# Altium PCB SmartDoor.PcbDoc
Units mm, origin at the board's own origin, x right, y up, seen from the top; angles counter-clockwise.
Board outline 100.4 x 97.81 mm, 2 copper layers (Top Layer, Bottom Layer), stack 1.57 mm thick; 44 components, 43 nets, 174 pads, 192 vias.
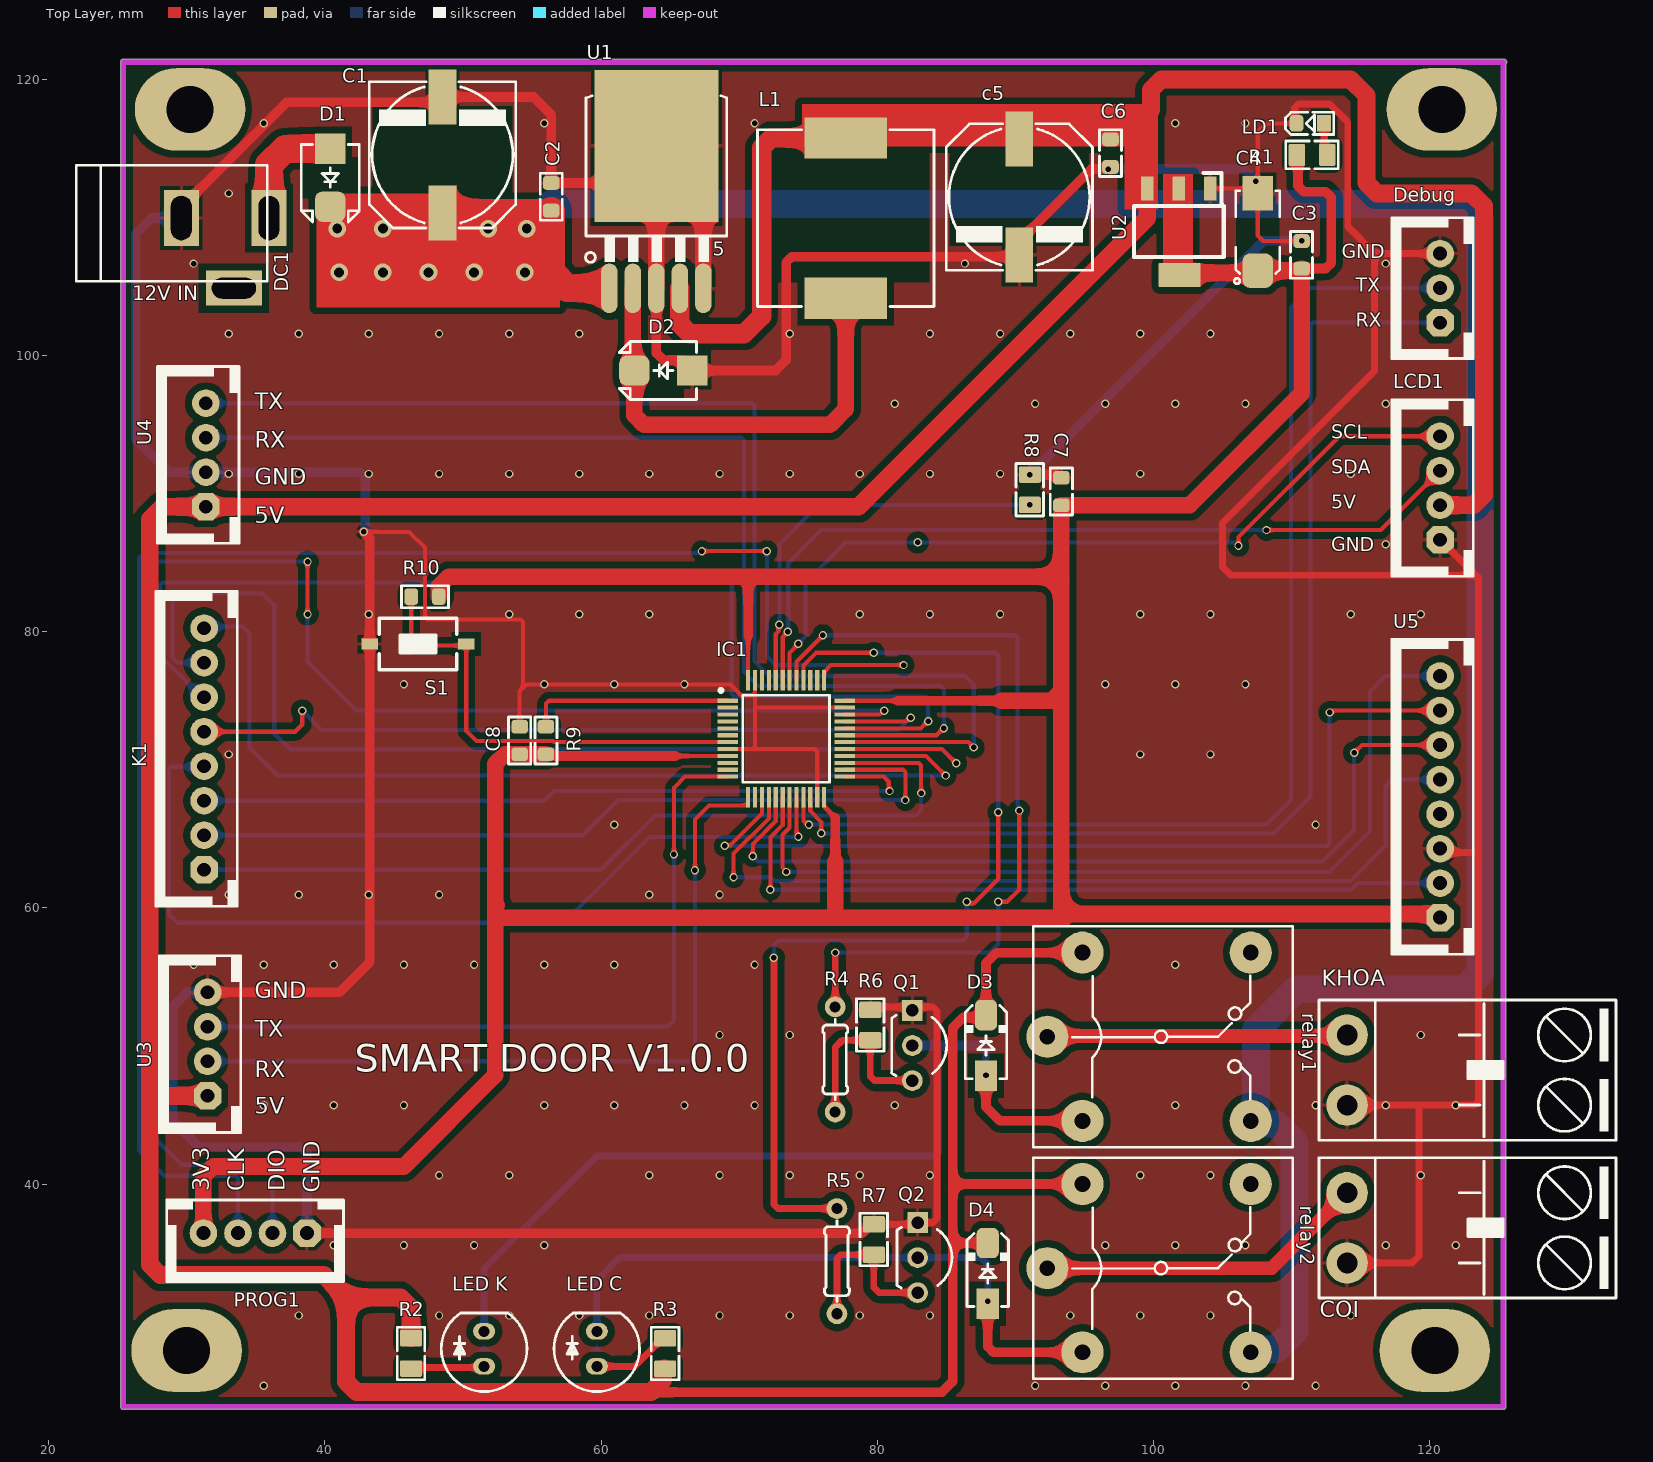
[diagram p0: Top Layer view]
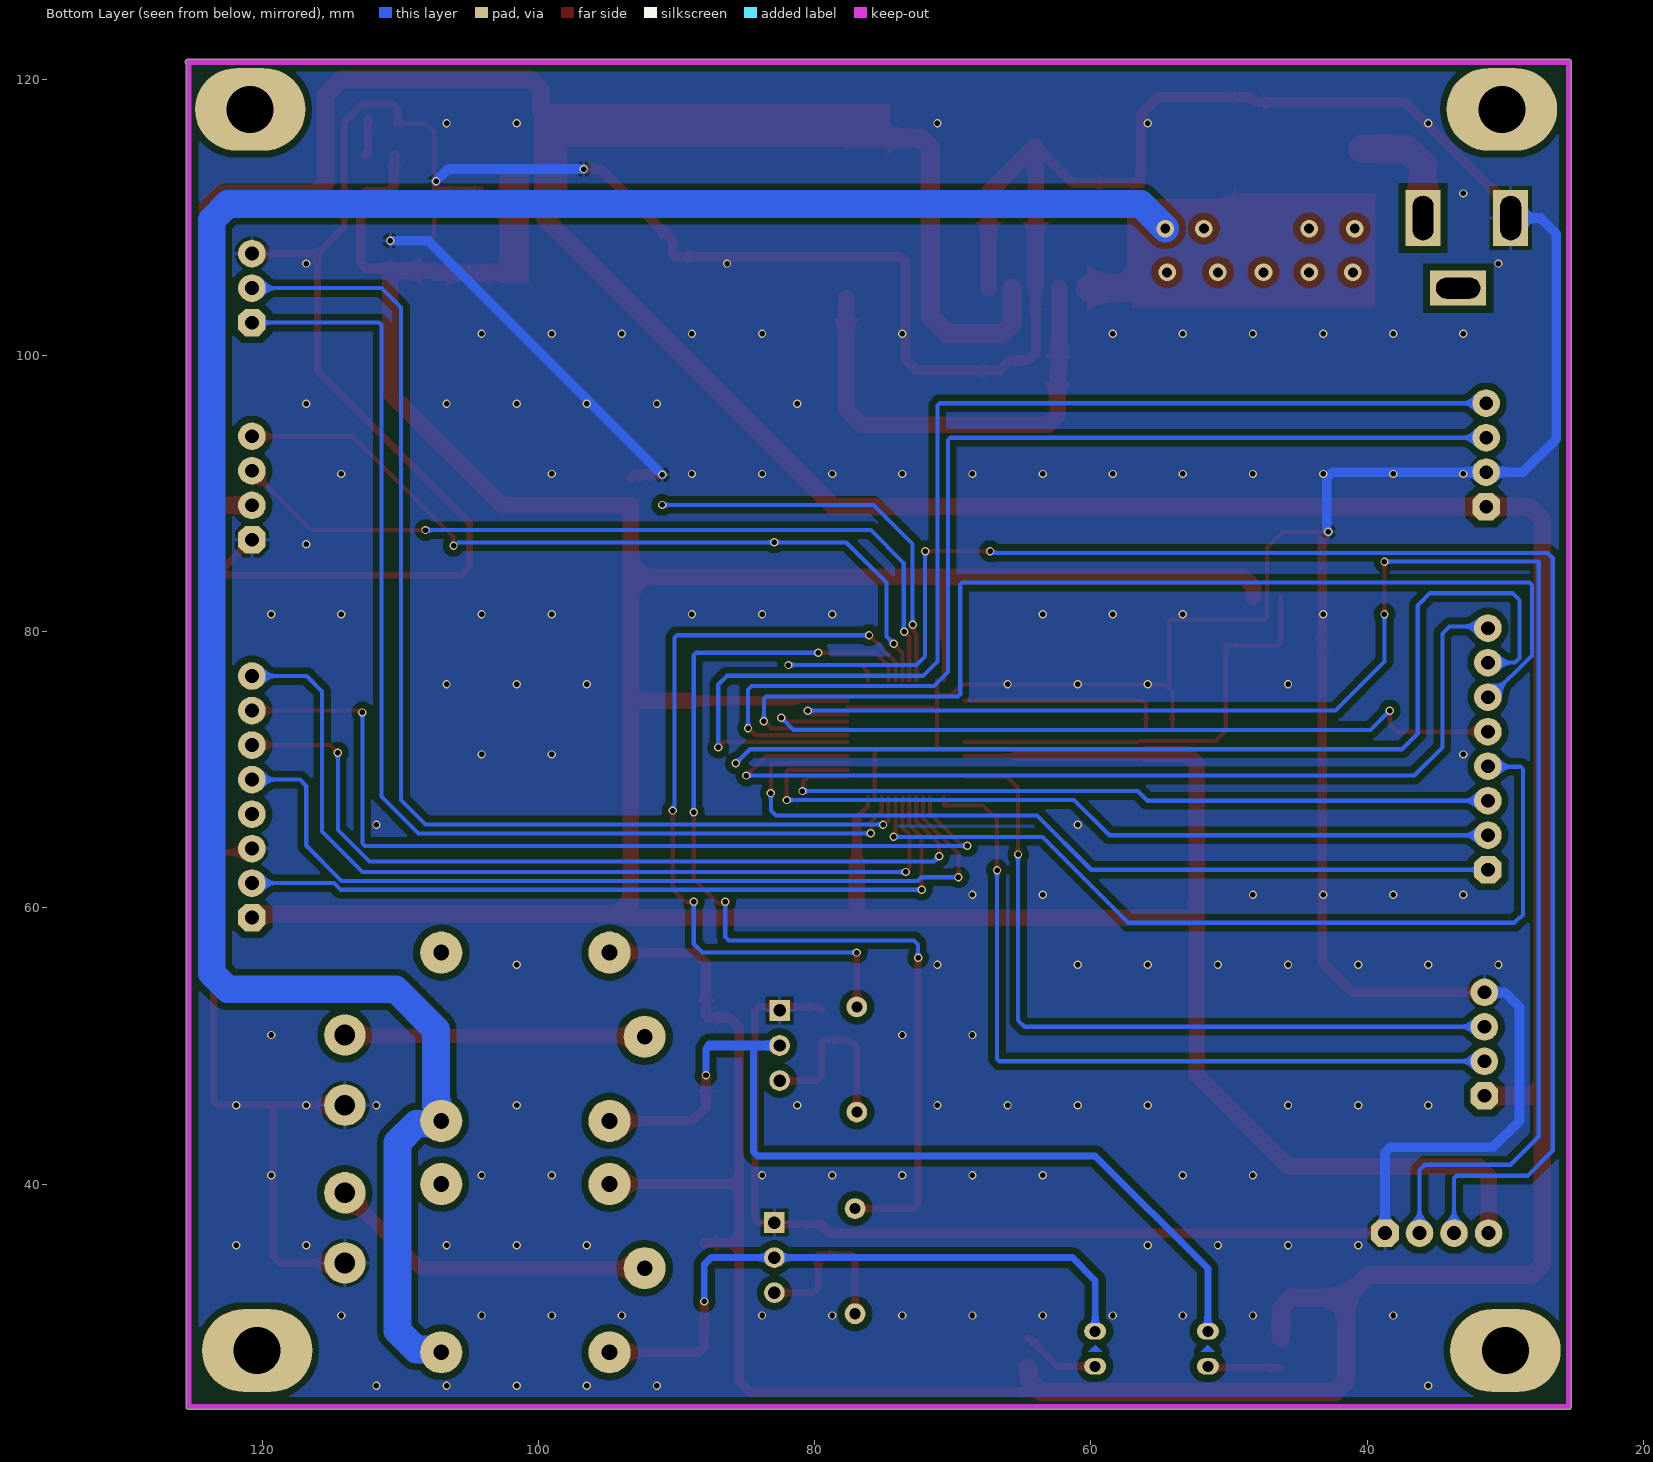
[diagram p1: Bottom Layer view, seen from below]
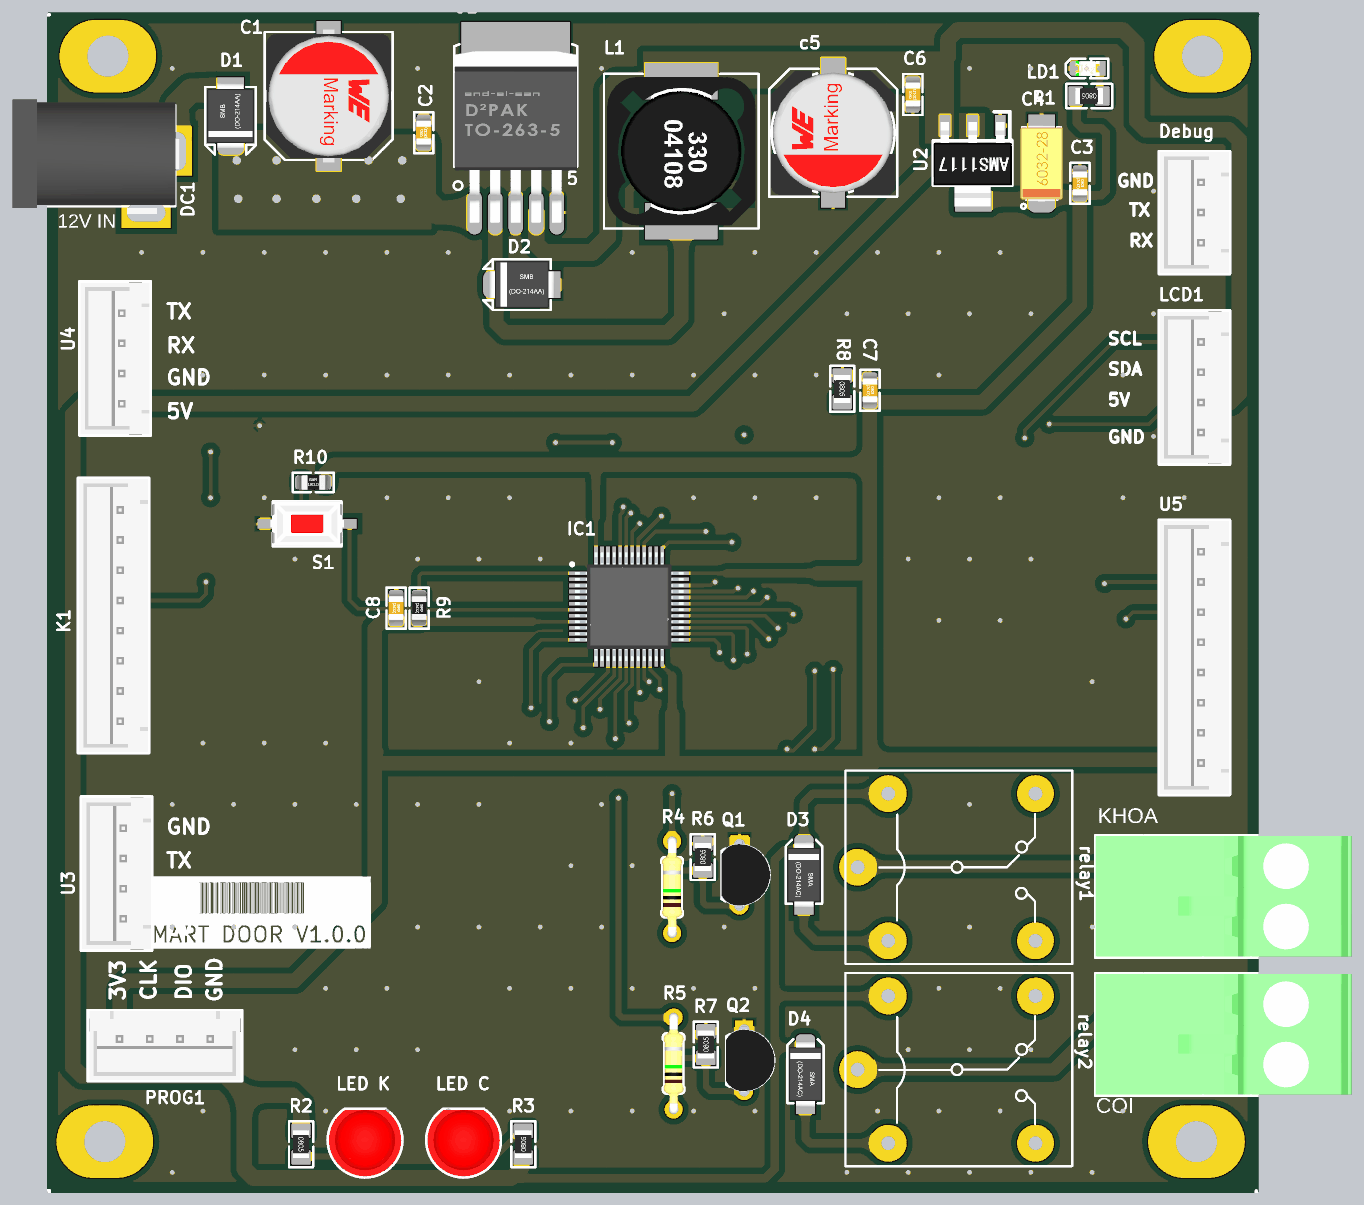
[diagram p2: 3D render of the assembled board from above, using the file's embedded part models]

## Layer stack, top to bottom
Top Solder: solder mask 0.0102, Solder Resist, Dk 3.5
Top Layer: signal copper 0.0356
Dielectric 1: core 1.4986, Core-043, Dk 4.3
Bottom Layer: signal copper 0.0356
Bottom Solder: solder mask 0.0102, Solder Resist, Dk 3.5

## Board outline
25.2,23.876 ccw(c25.4,23.876) 25.4,23.676 125.349,23.676 ccw(c125.349,23.876) 125.549,23.876 125.549,25.4 125.549,25.402 125.549,121.151 ccw(c125.4,121.285) 125.6,121.285 ccw(c125.4,121.285) 125.4,121.485 25.4,121.485 ccw(c25.4,121.285) 25.2,121.285

## Design rules (kind name [scope] priority, off if disabled: settings)
Clearance [All] p1: gap=0.5 ignorepadtopadclearanceinfootprint=FALSE
PolygonConnect [All] p1: connectstyle=Relief reliefconductorwidth=0.254 reliefentries=4 polygonreliefangle="90 Angle" airgapwidth=0.254
RoutingVias [All] p1: holewidth=0 width=0.6 viastyle="Through Hole" minholewidth=0.4 minwidth=0.6 maxholewidth=0.6 maxwidth=1.1
SolderMaskExpansion [All] p1: expansion=0.102 istentingtop=FALSE
Width [All] p1: maxlimit=2 minlimit=0.3 preferedwidth=0.7
30 further rules are at their usual default settings.

## Components (designator, comment, footprint, x,y, rotation, side; value= is the part's Value field where it differs from the comment)
C1 "1000uF-50V-DIP" C_EL_10_12 48.514,114.554 r90 top value=1000uF/50V
C2 "100nF-50V-126" C0805S 56.388,111.522 r90 top value=100nF
C3 "0.1uF" C0805S 110.744,107.315 r270 top value=100nF
C4 "Tanta-47uF-16V-2917" 6032 107.569,108.966 r90 top value=47uF/16V
c5 "10uf" C_EL_10_9 90.297,111.506 r270 top
C6 "104" C0805S 96.901,114.681 r90 top value=0.1uF
C7 "Cap" C0805S 93.345,90.17 r270 top value=104
C8 "Cap" C0805S 54.102,72.136 r270 top value=104
COI "con2" MSTBF_2 114.046,36.83 r270 top (schematic designator OUT2)
D1 "SS34B" D_SMB 40.386,112.903 r270 top
D2 "SS34B" D_SMB 64.516,98.933 r180 top
D3 "diode" D_SMA 87.884,50.038 r90 top
D4 "diode" D_SMA 88.011,33.528 r90 top
DC1 "Jack DC5.5x2.5MM DC5525" DC-IN 32.766,107.442 r0 top value="Jac DC"
Debug "Header 3" XH_3 120.777,104.902 r90 top
IC1 "STM32F103C8T6TR" QFN48N 73.406,72.263 r0 top
K1 "keypad4x4" XH_8 31.242,71.521 r90 top
KHOA "con2" MSTBF_2 114.046,48.26 r270 top (schematic designator OUT1)
L1 "100uF" L_12 77.724,109.982 r90 top value="150 mH"
LCD1 "LCDi2C" XH_4 120.777,90.424 r90 top
LD1 "led 0805 green" LED0805GRN 111.379,116.84 r180 top
"LED C" "led" "led 5mm red dip" 59.723,27.985 r90 top (schematic designator led2)
"LED K" "led" "led 5mm red dip" 51.562,27.985 r90 top (schematic designator led1)
PROG1 "SW" XH_4 34.945,36.449 r180 top
Q1 "C1815" TO-92W 82.55,50.038 r180 top
Q2 "C1815" TO-92W 82.931,34.671 r180 top
R1 "330R" R0805E 111.506,114.554 r180 top value="R1/4W - 1K"
R2 "1k" R0805E 46.228,27.731 r270 top value="R1/4W - 1K"
R3 "1k" R0805E 64.643,27.731 r90 top value="R1/4W - 1K"
R4 "200" R0125W_AX03 76.962,49.022 r90 top value="R1/4W - 1K"
R5 "200" R0125W_AX03 77.089,34.417 r90 top value="R1/4W - 1K"
R6 "10K" R0805E 79.502,51.519 r90 top value="R1/4W - 1K"
R7 "10K" R0805E 79.756,35.984 r90 top value="R1/4W - 1K"
R8 "Res1" R0805E 91.059,90.297 r270 top value=10K
R9 "Res1" R0805S 56.007,72.136 r270 top value=0R
R10 "Res1" R0805S 47.244,82.55 r0 top value=10K
relay1 "relay2" RL_SPDT_10A 92.329,50.673 r0 top
relay2 "relay2" RL_SPDT_10A 92.329,33.909 r0 top
S1 "RST" SW1-SMD 46.736,79.121 r0 top
U1 "LM2576 5v" "TO-263-5L, D2PAK-5, DDPAK, FMG170_5_S1000" 64.008,104.889 r0 top
U2 "AMS1117 3.3V" ASM1117-3V3 101.854,108.712 r180 top
U3 "SIM900A" XH_4 31.496,50.145 r90 top
U4 "AS608" XH_4 31.369,92.817 r90 top
U5 "Module RC522" XH_8 120.777,68.052 r90 top

## Footprints (in the part's own frame and the unit in brackets; to place one, negate y for a bottom-side part, rotate by r counter-clockwise, add the part's x,y. Pads: shape width x height; smd on the part's side, far side on the other; paste and mask are expansions set on the pad)
6032 [mm] "CAPACITOR, TAN C, TAN F, TAN U, TAN L, 6032P, 6.0X3.2mm"
  rrect50% 2.5x2.2 smd: 1(-2.8,0)
  rect 2.5x2.2 smd: 2(2.8,0)
  Top Layer pour cut-out: -2.032,1.6 2.032,1.6 2.032,-1.6 -2.032,-1.6
  silkscreen extent -3.75,-1.6 3,1.7, body extent -3.15,-1.75 3.15,1.75, height 2.8
ASM1117-3V3 [mm] "pin to pin 2.29mm"
  rrect10% 0.9x1.75 smd mask+0.1: 1(-2.29,-3.403) 2(0,-3.403) 3(2.29,-3.403)
  rrect10% 3.05x1.75 smd mask+0.1: 2(-0.05,2.85)
  silkscreen extent -3.25,-4.54 3.25,1.55, body extent -3.25,-3.7 3.25,3.3, height 1.85
C0805S [mm] "CHIP Capacitor, 2.0X1.3mm, 0805, soldered"
  rrect50% 1x1.2 smd mask+0.075: 1(-1,0) 2(1,0)
  Top Layer pour cut-out: -0.5,0.8 0.5,0.8 0.5,-0.8 -0.5,-0.8
  silkscreen extent -1.7,-0.8 1.7,0.8, body extent -1.4,-0.62 1.4,0.63, height 0.8
C_EL_10_9 [mm] "Electrolytic Cap, 10.3mm, L: 8.7mm"
  rect 4x2 smd: 1(-4.2,0) 2(4.2,0)
  Top Layer pour cut-out: -3.556,5.08 -3.556,-5.08 3.556,-5.08 3.556,5.08
  silkscreen extent -5.3,-5.3 5.3,5.3, body extent -5.5,-5.15 5.5,5.15
C_EL_10_12 [mm] "Electrolytic Cap, 10.3mm, L: 12.4mm"
  rect 4x2 smd: 1(-4.2,0) 2(4.2,0)
  Top Layer pour cut-out: -3.556,5.08 -3.556,-5.08 3.556,-5.08 3.556,5.08
  silkscreen extent -5.3,-5.3 5.3,5.3, body extent -5.5,-5.15 5.5,5.15, height 12.45
D_SMA [mm] "SMA Molded Diode, 2-Leads, Body 4.3x2.7mm, SOD-128"
  rect 2.2x1.6 smd: 1(-2.2,0)
  rrect50% 2.2x1.6 smd: 2(2.2,0)
  silkscreen extent -2.4,-1.5 2.9,1.5, body extent -2.75,-1.4 2.75,1.4, height 2.6
D_SMB [mm] "SMB Molded Diode, 2-Leads, Body 4.3x3.5mm"
  rect 2.2x2.2 smd: 1(-2.1,0)
  rrect50% 2.2x2.2 smd: 2(2.1,0)
  Top Layer pour cut-out: -1.524,2.1 -1.524,-2.1 1.524,-2.1 1.524,2.1
  silkscreen extent -2.4,-2.1 3.2,2.1, body extent -2.75,-1.95 2.75,1.95, height 2.45
DC-IN [mm]
  rect 2.54x4.064 hole 1.5 slot 3.2 at 90 deg: 1(3.175,2.54) 2(-3.175,2.54)
  rect 4.064x2.54 hole 1.5 slot 3.2 at 0 deg: 3(0.635,-2.54)
  silkscreen extent -10.79,-2.03 3.05,6.35, body extent -10.42,-2.67 3.4,6.84, height 11.02
L_12 [mm] "INDUCTOR, 13.5x12.5mm, DR125, CDRH127, D128C 931AS"
  rect 3x6 smd: 1(-5.8,0) 2(5.8,0)
  Top Layer pour cut-out: -4.699,6.096 4.953,6.096 4.953,-6.096 -4.699,-6.096
  silkscreen extent -6.4,-6.4 6.4,6.4, body extent -6.16,-6.15 6.16,6.15, height 8.16
LED0805GRN [mm] "LED SMD 0805, GREEN"
  rect 1x1.2 smd mask+0.075: 1(-1,0)
  rrect50% 1x1.2 smd mask+0.075: 2(1,0)
  Top Layer pour cut-out: -0.5,0.8 0.5,0.8 0.5,-0.8 -0.5,-0.8
  silkscreen extent -1.7,-0.8 1.8,0.8, body extent -1,-0.63 1,0.63, height 0.7
"led 5mm red dip" [mm]
  oval 1.2x1.6 hole 0.8: 1(-1.188,0.033) 2(1.352,0.033)
  Bottom Layer region: -0.118,0.533 -0.118,-0.467 0.382,0.033
  silkscreen extent -3.02,-3.07 2.68,3.13, body extent -2.92,-2.97 2.58,3.03, height 9.14
MSTBF_2 [mm] "PHOENIX MSTB 2, 5-G, 5.08mm pitch, 2pin"
  round 3 hole 1.5: 1(-2.54,0) 2(2.54,0)
  silkscreen extent -5.08,-2.03 5.08,19.47, body extent -5,-2 5,19.2, height 15
QFN48N [mm]
  rect 1.475x0.3 smd: 1(-4.238,2.75) 2(-4.238,2.25) 3(-4.238,1.75) 4(-4.238,1.25) 5(-4.238,0.75) 6(-4.238,0.25) 7(-4.238,-0.25) 8(-4.238,-0.75) 9(-4.238,-1.25) 10(-4.238,-1.75) 11(-4.238,-2.25) 12(-4.238,-2.75) 25(4.238,-2.75) 26(4.238,-2.25) 27(4.238,-1.75) 28(4.238,-1.25) 29(4.238,-0.75) 30(4.238,-0.25) 31(4.238,0.25) 32(4.238,0.75) 33(4.238,1.25) 34(4.238,1.75) 35(4.238,2.25) 36(4.238,2.75)
  rect 0.3x1.475 smd: 13(-2.75,-4.238) 14(-2.25,-4.238) 15(-1.75,-4.238) 16(-1.25,-4.238) 17(-0.75,-4.238) 18(-0.25,-4.238) 19(0.25,-4.238) 20(0.75,-4.238) 21(1.25,-4.238) 22(1.75,-4.238) 23(2.25,-4.238) 24(2.75,-4.238) 37(2.75,4.238) 38(2.25,4.238) 39(1.75,4.238) 40(1.25,4.238) 41(0.75,4.238) 42(0.25,4.238) 43(-0.25,4.238) 44(-0.75,4.238) 45(-1.25,4.238) 46(-1.75,4.238) 47(-2.25,4.238) 48(-2.75,4.238)
  silkscreen extent -4.85,-3.15 3.15,3.62, body extent -4.5,-4.5 4.5,4.5, height 1.6
R0125W_AX03 [mm] "RESISTOR 1/8 WATT, AXIAL0.3 INCH SPACING"
  round 1.5 hole 0.8: 1(-3.81,0) 2(3.81,0)
  silkscreen extent -2.92,-0.9 2.92,0.9, body extent -4.16,-0.85 4.16,0.85, height 1.85
R0805E [mm] "CHIP RESISTOR 1/8 WATT ,2.0X1.3mm, 0805, EXPANDED PAD"
  rrect20% 1.2x1.6 smd mask+0.1: 1(-1.1,0) 2(1.1,0)
  Top Layer pour cut-out: -0.5,0.8 0.5,0.8 0.5,-0.8 -0.5,-0.8
  silkscreen extent -1.9,-1 1.9,1, body extent -1.15,-0.67 1.15,0.68, height 0.76
R0805S [mm] "CHIP RESISTOR 1/8 WATT ,2.0X1.3mm, 0805, 2012, soldered"
  rrect50% 1x1.2 smd mask+0.05: 1(-1,0) 2(1,0)
  Top Layer pour cut-out: -0.5,0.8 0.5,0.8 0.5,-0.8 -0.5,-0.8
  silkscreen extent -1.7,-0.8 1.7,0.8, body extent -1.4,-0.62 1.4,0.63, height 0.8
RL_SPDT_10A [mil] "Relay SPDT, 5 pin, 10A,W 650mil, L 800mil, H 800mil"
  round 120 hole 45: 1(0,0) 2(580,240) 3(580,-240) 4(100,-240) 5(100,240)
  silkscreen extent -40,-315 700,315, body extent -40,-315 700,315, height 630
SW1-SMD [mm]
  rect 1.2x0.8 smd: 1(-3.5,0) 2(3.5,0)
  silkscreen extent -2.82,-1.85 2.82,1.85, body extent -3.05,-1.85 3.05,1.85, height 2.5
TO-92W [mm] "TO, Flat Index; 3 In-Line, Axial Leads (Wide Pitch); Body Dia. 4.7mm; Leads 0.56 x 0.51 mm (max)"
  rect 1.5x1.5 hole 0.9: 1(0,-2.54)
  round 1.5 hole 0.9: 2(0,0) 3(0,2.54)
  silkscreen extent -2.49,-2.19 1.51,2.19, body extent -2.57,-2.79 1.56,2.79, height 8.33
"TO-263-5L, D2PAK-5, DDPAK, FMG170_5_S1000" [mm] "TO-263-5L, D2PAK-5, DDPAK, FMG170_5_S1000"
  oval 1.2x3.6 smd: 1(-3.404,0) 2(-1.702,0) 3(0,0) 4(1.702,0) 5(3.404,0)
  rect 9x11 smd: 6(0,10.3)
  silkscreen extent -5.14,1.88 5.1,13.96, body extent -5.08,-0.84 5.08,13.39, height 4.87
XH_3 [mm] "PW10-xx-M, JST-BxB-XH-A pitch: 2.5mm"
  oct 2x2 hole 1: 1(-2.5,0)
  round 2 hole 1: 2(0,0) 3(2.5,0)
  silkscreen extent -5.1,-2.4 5.1,3.5, body extent -5,-2.3 5,3.4, height 7
XH_4 [mm] "PW10-xx-M, JST-BxB-XH-A pitch: 2.5mm"
  oct 2x2 hole 1: 1(-3.75,0)
  round 2 hole 1: 2(-1.25,0) 3(1.25,0) 4(3.75,0)
  silkscreen extent -6.4,-2.4 6.4,3.5, body extent -6.25,-2.3 6.25,3.4, height 7
XH_8 [mm] "PW10-xx-M, JST-BxB-XH-A pitch: 2.5mm"
  oct 2x2 hole 1: 1(-8.75,0)
  round 2 hole 1: 2(-6.25,0) 3(-3.75,0) 4(-1.25,0) 5(1.25,0) 6(3.75,0) 7(6.25,0) 8(8.75,0)
  silkscreen extent -11.4,-2.4 11.4,3.5, body extent -11.3,-2.3 11.3,3.4, height 7

## Part data
C1 C4: library part "Cap Pol1", "Polarized Capacitor (Radial)", LatestRevisionDate=17-Jul-2002, LatestRevisionNote="Re-released for DXP Platform.", PackageReference=RB7.6-15, Published=8-Jun-2000, Publisher="Altium Limited"
C2: library part Cap, "Capacitor", LatestRevisionDate=17-Jul-2002, LatestRevisionNote="Re-released for DXP Platform.", PackageReference=RAD-0.3, Published=8-Jun-2000, Publisher="Altium Limited"
C3: library part C0402, "Capacitor, Ceramic Chip, 16V, X7R, 10%", Manufacturer="Samsung Electromechanics", PartNumber=CL05B104KO5NNNC, Area=2800, ComponentHeight=0.022, ComponentLink1Description="AEO Datasheet Link", PackageReference=0402, SymbolVersion="07/31/2009 12:17:27"
c5: library part radial
C6: library part "Cap 104_SMD", "Capacitor (Semiconductor SIM Model)", LatestRevisionDate=17-Jul-2002, LatestRevisionNote="Re-released for DXP Platform.", PackageReference=C1206, Published=8-Jun-2000, Publisher="Altium Limited"
C7 C8: "Capacitor", LatestRevisionDate=17-Jul-2002, LatestRevisionNote="Re-released for DXP Platform.", PackageDescription="Radial Cap, Thru-Hole; 2 Leads; 0.3 in Pin Spacing", PackageReference=RAD-0.3, Published=8-Jun-2000, Publisher="Altium Limited"
D1 D2: library part diode
DC1: library part DCIN, "Jac DC input"
Debug: "Header, 3-Pin", LatestRevisionDate=17-Jul-2002, LatestRevisionNote="Re-released for DXP Platform.", Publisher="Altium Limited"
IC1: "Integrated Circuit", Manufacturer_Name=STMicroelectronics, Mouser Part Number=511-STM32F103C8T6TR, Arrow Part Number=STM32F103C8T6TR, Arrow Price/Stock=https://www.arrow.com/en/products/stm32f103c8t6tr/stmicroelectronics, Datasheet Link=http://media.digikey.com/pdf/Data%20Sheets/ST%20Microelectronics%20PDFS/STM32F103x8,B.pdf, Height=1.6mm, Manufacturer_Part_Number=STM32F103C8T6TR, Mouser Price/Stock=https://www.mouser.co.uk/ProductDetail/STMicroelectronics/STM32F103C8T6TR?qs=5HwTSiuA5HDxFj62n06yag%3D%3D
K1: library part keypad
L1: library part L1, "Inductor"
LD1: library part led
PROG1: library part "Header 4", "Header, 4-Pin", LatestRevisionDate=17-Jul-2002, LatestRevisionNote="Re-released for DXP Platform.", Publisher="Altium Limited"
R1 R2 R3 R4 R5 R6 R7: library part R, "Resistor 1/4W"
R8 R9 R10: "Resistor", LatestRevisionDate=17-Jul-2002, LatestRevisionNote="Re-released for DXP Platform.", PackageDescription="Axial Device, Thru-Hole; 2 Leads; 0.3 in Pin Spacing", PackageReference=AXIAL-0.3, Published=8-Jun-2000, Publisher="Altium Limited"
S1: library part SW-SPST, "Single-Pole, Single-Throw Switch", LatestRevisionDate=17-Jul-2002, LatestRevisionNote="Re-released for DXP Platform.", PackageDescription="Switch; 2 Leads", PackageReference=SPST-2, Published=24-Mar-1999, Publisher="Altium Limited"
U1: library part LM2576T-5.0, "SIMPLE SWITCHER; 3A Step-Down Voltage Regulator", DigiKeyPartNumber=LM2576T-5.0-ND, Manufacturer="National Semiconductor", PackageTopMarking="NSUZXYTT*LM2576T*-5.0 P+", PowerWise=N, Code_JEDEC=TO-220-AB, ComponentLink1Description="LM2576 Datasheet", ComponentLink1URL=http://www.national.com/ds/LM/LM2576.pdf, ComponentLink2Description="LM2576 Web Page", ComponentLink2URL=http://www.national.com/pf/LM/LM2576.html, ComponentLink3Description="T05A Package Page", ComponentLink3URL=http://www.national.com/packaging/folders/t05a.html, CompType=Switcher, DatasheetVersion=Aug-2004, FirstPublished=4-Dec-2008, PackageDescription="TO-220, Molded, 5 Lead, Straight", PackageReference=T05A, PackageVersion="revJ, Jan-1992", PartNumber=LM2576T-5.0, PinCount=5, Publisher="Altium Limited", RoHS=O
U2: library part AMS1117
U4: library part R307

## Free pads (board coordinates)
  oval 8x6 hole 3.4: 3(29.972,27.94) 3(30.226,117.856) 3(120.396,27.94) 3(120.904,117.856)

## Via types
v1: diameter 0.6, hole 0.4, Top Layer to Bottom Layer, tented both sides, 183 vias
v2: diameter 1.27, hole 0.711, Top Layer to Bottom Layer, tented both sides, 9 vias

## Nets (pads, with @x,y where several pads share a name; then routed paths per layer and width w, separated by ;. In a path a pad name is that pad's centre, name@x,y a point inside that pad or via, vN(x,y) a via of type N, cw(c..) or ccw(c..) an arc to the next point about the centre after c; other vN are vias at no path point)
3V3: C3.2 C4.1 C7.2 C8.2 IC1.9 IC1.24 IC1.36 IC1.48 PROG1.4 R1.2 R9.2 R10.2 U2.2 U5.1 | length 302.7
  Top Layer w0.3: 65.385,71.013 IC1.9 ; IC1.48 70.656,79.712 ; IC1.24 76.156,67.354 76.962,66.548 ; IC1.36 81.49,75.013
  Top Layer w0.7: R9.2@56.297,71.326 56.611,71.013 65.385,71.013 ; 70.656,79.712 70.656,83.601 ; 76.962,63.334 76.962,66.548 ; 81.49,75.013 88.983,75.013 ; R1.2 110.49,114.47 110.49,112.297 110.9,111.887 112.493,111.887 112.903,111.477 112.903,106.725 112.493,106.315 C3.2
  Top Layer w1.2: PROG1.4 31.195,40.572 31.898,41.275 45.72,41.275 52.324,47.879 52.324,59.563 ; R10.2 48.244,83.287 48.963,84.006 71.061,84.006 ; 52.451,60.198 52.324,60.325 ; R9.2 53.027,71.136 52.324,70.433 52.324,60.325 ; 70.656,83.601 71.061,84.006 ; 76.962,59.609 76.962,63.334 ; 88.983,75.013 92.642,75.013 93.345,75.716 ; U2.2@101.854,112.115 101.879,112.09 101.879,105.887 101.904,105.862 102.056,106.014 107.417,106.014 C4.1 110.595,106.166 C3.2 110.744,97.282 102.632,89.17 C7.2 93.345,84.006 ; U5.1 120.526,59.553 119.874,59.553 119.865,59.563 93.345,59.563 ; 52.324,59.563 52.324,60.325 ; 52.324,59.563 52.585,59.302 93.606,59.302 93.345,59.563 ; 71.061,84.006 93.345,84.006 ; 93.345,59.563 93.345,75.716 ; 93.345,75.716 93.345,84.006
5V: c5.1 C6.2 D3.2 D4.2 L1.2 LCD1.2 R2.1 R3.1 relay1.5 relay2.5 U1.4 U2.3 U3.1 U4.1 | length 362.6
  Top Layer w0.7: 63.627,24.926 84.709,24.926 85.471,25.688 85.471,35.728 ; D4.2 85.471,35.728 ; relay2.5 85.471,40.005 ; relay1.5 88.646,56.769 87.884,56.007 D3.2 87.712,52.066 86.233,52.066 85.471,51.305 85.471,40.005 ; 85.471,35.728 85.471,40.005
  Top Layer w1.3: U3.1 28.067,46.395 27.305,47.157 ; R2.1 46.228,31.028 45.466,31.79 41.529,31.79 ; R3.1 64.543,26.631 64.493,26.581 64.493,25.792 63.627,24.926 42.291,24.926 41.529,25.688 41.529,31.79 ; 97.028,116.84 98.861,116.84 ; LCD1.2 123.19,89.174 123.952,89.936 123.952,110.871 123.063,111.76 116.205,111.76 115.443,112.522 115.443,118.872 114.3,120.015 100.584,120.015 99.822,119.253 99.822,117.801 98.861,116.84 ; 27.305,47.157 27.305,88.138 28.234,89.067 U4.1 78.653,89.067 99.564,109.978 U2.3 99.564,116.137 98.861,116.84 ; 27.305,47.157 27.305,34.163 28.067,33.401 39.918,33.401 41.529,31.79
  Top Layer w1.4: U1.4 65.71,102.303 66.413,101.6 70.358,101.6 71.628,102.87 71.628,115.079 72.331,115.782 L1.2
12V: C1.1 C2.1 D1.2 relay1.3 relay2.3 U1.1 | length 187.4
  Top Layer w2: C1.1 56.22,110.354 C2.1 56.388,106.074 57.56,104.902 U1.1@60.071,104.902
  Bottom Layer w2: v2(54.61,109.22) 56.388,110.998 122.526,110.998 123.698,109.826 123.698,55.274 122.526,54.102 110.363,54.102 107.442,51.181 107.442,45.699 107.262,45.519 107.262,44.778 relay1.3 107.262,44.376 108.87,44.376 110.236,43.011 110.236,29.379 108.87,28.014 107.262,28.014 relay2.3
  other v2: 41.021,106.045 44.196,106.045 47.498,106.045 50.8,106.045 54.483,106.045 40.894,109.22 44.196,109.22 51.816,109.22
C1: IC1.33 K1.5 | length 58.2
  Top Layer w0.3: K1.5 37.846,72.771 38.354,73.279 v1(38.354,74.295) ; IC1.33 82.068,73.513 82.342,73.787 v1(82.423,73.787)
  Bottom Layer w0.3: v1(38.354,74.295) 39.751,72.898 81.534,72.898 v1(82.423,73.787)
C2: IC1.32 K1.6 | length 81.2
  Top Layer w0.3: IC1.32 83.152,73.013 83.672,73.533 v1(83.693,73.533)
  Bottom Layer w0.3: K1.6 31.083,75.271 28.059,78.295 28.059,83.39 28.235,83.566 69.293,83.566 69.469,83.39 69.469,75.487 69.645,75.311 83.517,75.311 83.693,75.135 v1(83.693,73.533)
C3: IC1.29 K1.7 | length 82.6
  Top Layer w0.3: IC1.29 84.697,71.513 v1(85.725,70.485)
  Bottom Layer w0.3: K1.7 29.29,77.771 28.956,78.105 28.956,82.296 29.464,82.804 35.433,82.804 36.322,81.915 36.322,72.644 37.465,71.501 84.709,71.501 v1(85.725,70.485)
C4: IC1.28 K1.8 | length 71
  Top Layer w0.3: IC1.28 83.546,71.013 v1(84.963,69.596)
  Bottom Layer w0.3: K1.8 31.362,80.391 34.036,80.391 34.544,79.883 34.544,71.628 36.576,69.596 v1(84.963,69.596)
COI: IC1.40 R5.2 | length 75.2
  Top Layer w0.3: IC1.40 74.656,77.577 75.565,78.486 v1(79.756,78.486) ; v1(86.487,60.452) 86.614,60.325 86.995,60.325 88.773,62.103 v1(88.773,66.929)
  Top Layer w0.5: v1(72.517,56.388) 72.517,38.52 72.81,38.227 R5.2
  Bottom Layer w0.3: v1(72.517,56.388) 72.536,56.407 72.536,57.365 72.829,57.658 86.233,57.658 86.487,57.912 v1(86.487,60.452) ; v1(79.756,78.486) 88.597,78.486 88.773,78.31 v1(88.773,66.929)
GND: C1.2 C2.2 C3.1 C4.2 c5.2 C6.1 C7.1 C8.1 COI.2 D2.1 DC1.2 Debug.3 IC1.8 IC1.23 IC1.35 IC1.47 KHOA.2 LCD1.1 LD1.2 PROG1.1 Q1.1 Q2.1 R6.2 R7.2 R8.1 S1.1 U1.3 U1.5 U1.6 U2.1 U3.4 U4.2 U5.3 | length 552.9
  Top Layer w0.3: v1(42.799,87.249) 46.101,87.249 47.244,86.106 47.244,81.075 47.42,80.899 54.18,80.899 54.356,80.723 54.356,75.946 ; C8.1 54.102,75.692 54.356,75.946 ; IC1.8 70.98,71.513 ; IC1.47 71.156,75.525 ; IC1.23 75.656,71.337 75.48,71.513 70.98,71.513 ; IC1.35 71.192,74.513 71.156,74.549 ; U2.1 107.22,112.115 C4.2 ; LD1.2 108.204,116.84 107.569,116.205 C4.2 ; C3.1 107.966,108.315 107.569,108.712 C4.2 ; 54.356,75.946 54.61,76.2 69.363,76.2 70.15,75.413 70.951,75.413 71.062,75.525 71.156,75.525 ; 70.98,71.513 71.156,71.689 71.156,74.549 ; 71.156,74.549 71.156,75.525
  Top Layer w0.5: R6.2 79.715,52.832 84.035,52.832 84.328,52.539 84.328,37.504 84.035,37.211 Q2.1 82.804,37.084 R7.2 ; LD1.2 110.236,116.983 110.236,117.944 110.529,118.237 112.776,118.237 114.089,116.924 114.089,109.351 116.038,107.402 ; COI.2 118.745,34.29 119.253,34.798 119.253,45.593 119.126,45.72 ; KHOA.2 119.126,45.72 ; U5.3 121.064,64.015 123.451,64.015 123.571,64.135 ; LCD1.1 120.844,86.741 120.844,86.607 123.347,84.104 ; Debug.3 116.038,107.402 ; 116.038,107.402 116.038,98.893 105.029,87.884 105.029,84.709 105.634,84.104 123.347,84.104 ; 119.126,45.72 123.278,45.72 123.571,46.013 123.571,64.135 ; 123.347,84.104 123.571,83.88 123.571,64.135
  Top Layer w0.7: DC1.2 29.591,110.744 37.211,118.364 48.124,118.364 C1.2 55.109,118.754 56.388,117.475 C2.2 61.341,112.522 U1.6 ; U3.4 41.068,53.895 43.236,56.063 S1.1 43.236,86.812 v1(42.799,87.249) ; PROG1.1 78.921,36.449 79.556,37.084 R7.2 ; U1.3 64.008,100.203 64.528,99.683 65.866,99.683 D2.1 72.644,98.933 73.406,99.695 73.406,106.778 73.816,107.188 90.179,107.188 c5.2 90.297,108.306 95.522,113.531 v1(96.751,113.531) ; v1(91.059,91.397) 93.018,91.397 93.245,91.17 C7.1
  Top Layer w1.2: U1.3 U1.6 67.412,111.785 U1.5
  Bottom Layer w0.7: DC1.2 27.432,109.982 26.289,108.839 26.289,93.98 28.702,91.567 U4.2 42.516,91.567 42.926,91.157 42.926,87.376 v1(42.799,87.249) ; U3.4 31.485,53.884 30.008,53.884 28.956,52.832 28.956,44.577 30.861,42.672 38.285,42.672 38.695,42.262 PROG1.1 ; v1(91.059,91.397) 107.993,108.331 v1(110.744,108.331) ; v1(96.751,113.531) 106.56,113.531 v1(107.442,112.649)
  other v1: 35.56,25.4 91.44,25.4 96.52,25.4 101.6,25.4 106.68,25.4 111.76,25.4 38.1,30.48 48.26,30.48 53.34,30.48 58.42,30.48 63.5,30.48 68.58,30.48 73.66,30.48 78.74,30.48 83.82,30.48 93.98,30.48 99.06,30.48 104.14,30.48 114.3,30.48 40.64,35.56 45.72,35.56 50.8,35.56 55.88,35.56 96.52,35.56 101.6,35.56 106.68,35.56 116.84,35.56 121.92,35.56 48.26,40.64 53.34,40.64 63.5,40.64 68.58,40.64 73.66,40.64 78.74,40.64 83.82,40.64 99.06,40.64 104.14,40.64 119.38,40.64 35.56,45.72 40.64,45.72 45.72,45.72 55.88,45.72 60.96,45.72 66.04,45.72 71.12,45.72 81.28,45.72 101.6,45.72 111.76,45.72 116.84,45.72 121.92,45.72 68.58,50.8 73.66,50.8 119.38,50.8 30.48,55.88 35.56,55.88 40.64,55.88 45.72,55.88 50.8,55.88 55.88,55.88 60.96,55.88 71.12,55.88 101.6,55.88 33.02,60.96 38.1,60.96 43.18,60.96 48.26,60.96 63.5,60.96 68.58,60.96 60.96,66.04 111.76,66.04 33.02,71.12 99.06,71.12 104.14,71.12 45.72,76.2 55.88,76.2 60.96,76.2 66.04,76.2 96.52,76.2 101.6,76.2 106.68,76.2 43.18,81.28 53.34,81.28 58.42,81.28 63.5,81.28 78.74,81.28 83.82,81.28 88.9,81.28 99.06,81.28 104.14,81.28 114.3,81.28 119.38,81.28 116.84,86.36 33.02,91.44 38.1,91.44 43.18,91.44 48.26,91.44 53.34,91.44 58.42,91.44 63.5,91.44 68.58,91.44 73.66,91.44 78.74,91.44 83.82,91.44 88.9,91.44 99.06,91.44 114.3,91.44 81.28,96.52 91.44,96.52 96.52,96.52 101.6,96.52 106.68,96.52 116.84,96.52 33.02,101.6 38.1,101.6 43.18,101.6 48.26,101.6 53.34,101.6 58.42,101.6 73.66,101.6 83.82,101.6 88.9,101.6 93.98,101.6 99.06,101.6 104.14,101.6 30.48,106.68 86.36,106.68 116.84,106.68 33.02,111.76 35.56,116.84 55.88,116.84 71.12,116.84 101.6,116.84 106.68,116.84
KHOA: IC1.41 R4.2 | length 57.5
  Top Layer w0.3: IC1.41 74.156,77.839 v1(76.073,79.756) ; v1(88.773,60.452) 89.408,60.452 90.297,61.341 v1(90.297,67.056)
  Top Layer w0.5: R4.2 v1(76.962,56.769)
  Bottom Layer w0.3: v1(76.073,79.756) 89.994,79.756 90.17,79.58 90.17,67.437 90.3,67.307 90.3,67.059 v1(90.297,67.056) ; v1(76.962,56.769) 88.138,56.769 88.773,57.404 v1(88.773,60.452)
NetD1_1: D1.1 DC1.1 | length 8.8
  Top Layer w2: DC1.1 35.941,113.831 37.113,115.003 D1.1
NetD2_2: D2.2 L1.1 U1.2 | length 33.4
  Top Layer w1.2: U1.2 62.306,99.043 D2.2 62.416,95.699 63.119,94.996 76.581,94.996 77.724,96.139 L1.1
NetD3_1: "LED K.2" D3.1 Q1.2 relay1.4 | length 65.8
  Top Layer w0.7: D3.1 87.884,45.593 88.9,44.577 relay1.4
  Bottom Layer w0.5: 51.529,29.337 51.529,33.876 59.69,42.037 84.162,42.037 84.455,42.33 84.455,49.784 84.201,50.038 ; 87.63,50.038 87.884,49.784 v1(87.884,47.879)
  Bottom Layer w0.7: Q1.2 84.201,50.038 87.63,50.038
NetD4_1: "LED C.2" D4.1 Q2.2 relay2.4 | length 45.7
  Top Layer w0.7: D4.1 88.011,28.223 88.421,27.813 relay2.4
  Bottom Layer w0.5: 59.69,29.337 59.69,33.02 61.341,34.671 Q2.2 87.503,34.671 88.011,34.163 v1(88.011,31.496)
NetIC1_1: IC1.1 R9.1 | length 14.9
  Top Layer w0.3: R9.1 56.007,74.803 56.217,75.013 IC1.1
NetIC1_44: IC1.44 R8.2 | length 29.3
  Top Layer w0.3: IC1.44 72.656,79.84 72.856,80.04 72.856,80.461 v1(72.913,80.518)
  Bottom Layer w0.3: v1(72.913,80.518) 72.913,86.375 75.735,89.197 v1(91.059,89.197)
NetLD1_1: LD1.1 R1.1 | length 2.7
  Top Layer w0.5: R1.1@112.379,114.781 LD1.1
  Top Layer w0.7: LD1.1@112.363,116.898 LD1.1@112.379,116.882 ; R1.1@112.379,114.781 R1.1 ; LD1.1 LD1.1@112.379,116.882 ; LD1.1@112.379,117.094 LD1.1@112.379,116.882 ; LD1.1@112.421,116.84 LD1.1@112.379,116.882
Netled1_1: "LED K.1" R2.2 | length 5.4
  Top Layer w0.5: R2.2 46.311,26.714 51.446,26.714 51.529,26.797
Netled2_1: "LED C.1" R3.2 | length 5.8
  Top Layer w0.5: 59.69,26.797 62.409,26.797 64.443,28.831 R3.2
NetOUT1_1: KHOA.1 relay1.1 | length 21.8
  Top Layer w0.7: relay1.1 relay1.1@92.392,50.736 ; KHOA.1@113.983,50.736 KHOA.1
  Top Layer w1: relay1.1@92.392,50.736 KHOA.1@113.983,50.736
NetOUT2_1: COI.1 relay2.1 | length 24
  Top Layer w1: relay2.1 108.585,33.909 COI.1
NetQ1_3: Q1.3 R4.1 R6.1 | length 13.2
  Top Layer w0.5: R4.1 76.962,49.911 77.47,50.419 R6.1 79.502,47.791 79.795,47.498 Q1.3
NetQ2_3: Q2.3 R5.1 R7.1 | length 12.5
  Top Layer w0.5: R5.1 77.089,34.591 77.382,34.884 R7.1 79.756,32.512 80.137,32.131 Q2.3
R1: IC1.27 K1.1 | length 62.6
  Top Layer w0.3: IC1.27 83.009,70.513 83.185,70.337 v1(83.185,68.326)
  Bottom Layer w0.3: K1.1 59.977,62.771 63.896,66.69 82.819,66.69 83.185,67.056 v1(83.185,68.326)
R2: IC1.26 K1.2 | length 58.3
  Top Layer w0.3: IC1.26 81.866,70.013 82.042,69.837 v1(82.042,67.818)
  Bottom Layer w0.3: K1.2 58.667,65.271 61.214,67.818 v1(82.042,67.818)
R3: IC1.25 K1.3 | length 54
  Top Layer w0.3: IC1.25 80.474,69.513 80.842,69.145 80.842,68.525 v1(80.899,68.468)
  Bottom Layer w0.3: K1.3 55.911,67.771 56.608,68.468 v1(80.899,68.468)
R4: IC1.20 K1.4 | length 64.5
  Top Layer w0.3: IC1.20 74.156,65.371 74.295,65.232 v1(74.295,65.151)
  Bottom Layer w0.3: K1.4 31.202,70.231 28.878,70.231 28.702,70.055 28.702,59.485 28.878,59.309 28.956,59.309 29.337,58.928 57.277,58.928 63.5,65.151 v1(74.295,65.151)
RC522_MISO: IC1.16 U5.5 | length 63.7
  Top Layer w0.3: v1(69.596,62.23) 69.596,63.936 72.156,66.496 IC1.16
  Bottom Layer w0.3: v1(69.596,62.23) 72.278,62.23 72.547,61.961 114.285,61.961 116.84,64.516 116.84,68.834 117.308,69.302 U5.5
RC522_MOSI: IC1.17 U5.6 | length 61.7
  Top Layer w0.3: v1(70.993,63.754) 70.993,64.626 72.656,66.289 IC1.17 ; v1(114.554,71.247) 115.109,71.802 U5.6
  Bottom Layer w0.3: v1(70.993,63.754) 71.374,63.373 112.268,63.373 114.554,65.659 v1(114.554,71.247)
RC522_RST: IC1.18 U5.2 | length 55.8
  Top Layer w0.3: v1(72.263,61.326) 72.263,65.126 73.156,66.019 IC1.18
  Bottom Layer w0.3: v1(72.263,61.326) 114.357,61.326 114.833,61.802 U5.2
RC522_SCK: IC1.15 U5.7 | length 66.3
  Top Layer w0.3: v1(68.961,64.501) 69.008,64.548 69.374,64.548 71.656,66.83 IC1.15 ; v1(112.776,74.168) 112.91,74.302 U5.7
  Bottom Layer w0.3: v1(68.961,64.501) 112.585,64.501 112.776,64.692 v1(112.776,74.168)
RC522_SS: IC1.19 U5.8 | length 64.9
  Top Layer w0.3: v1(73.406,62.611) 73.406,62.683 73.152,62.937 73.152,65.308 73.656,65.812 IC1.19
  Bottom Layer w0.3: v1(73.406,62.611) 112.776,62.611 115.697,65.532 115.697,75.692 116.807,76.802 U5.8
RST: IC1.7 R10.1 S1.2 | length 33
  Top Layer w0.3: R10.1 46.244,79.186 46.42,79.01 50.125,79.01 S1.2 50.236,72.827 50.977,72.086 56.528,72.086 56.601,72.013 IC1.7
SCL1: IC1.42 LCD1.4 | length 58.5
  Top Layer w0.3: IC1.42 73.656,78.487 74.28,79.111 v1(74.28,79.136) ; v1(106.172,86.233) 106.172,86.868 113.478,94.174 LCD1.4
  Bottom Layer w0.3: v1(74.28,79.136) 74.28,79.151 74.803,79.674 74.803,83.566 77.724,86.487 v1(82.931,86.487) 105.837,86.487 106.091,86.233 v1(106.172,86.233)
SDA1: IC1.43 LCD1.3 | length 58.6
  Top Layer w0.3: IC1.43 73.156,79.633 v1(73.533,80.01) ; v1(108.204,87.376) 116.479,87.376 LCD1.3
  Bottom Layer w0.3: v1(73.533,80.01) 73.563,80.04 73.563,84.993 75.946,87.376 v1(108.204,87.376)
STM32_RX1: IC1.31 U4.3 | length 81.1
  Top Layer w0.3: IC1.31 84.287,72.513 84.799,73.025 v1(84.836,73.025)
  Bottom Layer w0.3: U4.3 70.182,94.067 70.358,93.891 70.358,77.089 71.374,76.073 84.582,76.073 84.836,75.819 v1(84.836,73.025)
STM32_RX2: IC1.13 U3.2 | length 57.6
  Top Layer w0.3: v1(66.802,62.738) 66.802,66.421 67.818,67.437 70.656,67.437 IC1.13
  Bottom Layer w0.3: U3.2 66.626,48.895 66.802,49.071 v1(66.802,62.738)
STM32_RX3: Debug.1 IC1.22 | length 83.1
  Top Layer w0.3: IC1.22 75.156,67.021 75.946,66.23 v1(75.946,65.405)
  Bottom Layer w0.3: v1(75.946,65.405) 108.712,65.405 111.379,68.072 111.379,102.226 111.555,102.402 Debug.1
STM32_TX1: IC1.30 U4.4 | length 89
  Top Layer w0.3: IC1.30 86.61,72.013 v1(86.995,71.628)
  Bottom Layer w0.3: U4.4 70.944,96.567 71.12,96.391 71.12,77.851 72.151,76.82 86.375,76.82 86.995,76.2 v1(86.995,71.628)
STM32_TX2: IC1.12 U3.3 | length 55
  Top Layer w0.3: v1(65.278,63.881) 65.278,68.707 66.084,69.513 IC1.12
  Bottom Layer w0.3: U3.3 64.808,51.395 65.278,51.865 v1(65.278,63.881)
STM32_TX3: Debug.2 IC1.21 | length 84.9
  Top Layer w0.3: IC1.21 74.656,66.314 74.93,66.04 v1(75.057,66.04)
  Bottom Layer w0.3: v1(75.057,66.04) 75.072,66.055 108.219,66.055 109.982,67.818 109.982,103.505 111.379,104.902 Debug.2
SWCLK: IC1.37 PROG1.3 | length 124.9
  Top Layer w0.3: v1(67.31,85.852) v1(72.009,85.852) ; IC1.37 76.156,77.089 76.664,77.597 v1(81.915,77.597)
  Bottom Layer w0.3: PROG1.3 33.695,40.424 33.519,40.6 28.361,40.6 26.543,42.418 26.543,85.344 26.924,85.725 67.183,85.725 v1(67.31,85.852) ; v1(72.009,85.852) 72.009,78.232 72.644,77.597 v1(81.915,77.597)
SWDIO: IC1.34 PROG1.2 | length 120.5
  Top Layer w0.3: v1(38.735,81.28) v1(38.735,85.075) ; IC1.34 79.618,74.013 79.628,74.023 80.192,74.023 80.464,74.295 v1(80.518,74.295)
  Bottom Layer w0.3: PROG1.2 36.195,41.021 35.814,41.402 29.591,41.402 27.559,43.434 27.559,85.09 38.72,85.09 v1(38.735,85.075) ; v1(38.735,81.28) 38.735,77.851 42.291,74.295 v1(80.518,74.295)
pads on no net: DC1.3 IC1.2 IC1.3 IC1.4 IC1.5 IC1.6 IC1.10 IC1.11 IC1.14 IC1.38 IC1.39 IC1.45 IC1.46 relay1.2 relay2.2 U5.4

## Polygon pours and split planes (outlines as drawn)
GND on Top Layer "GND_L01_P000" (solid, pour order 0): 25.2,23.876 ccw(c25.4,23.876) 25.4,23.676 125.349,23.676 ccw(c125.349,23.876) 125.549,23.876 125.549,25.4 125.549,25.402 125.549,121.151 ccw(c125.4,121.285) 125.6,121.285 ccw(c125.4,121.285) 125.4,121.485 25.4,121.485 ccw(c25.4,121.285) 25.2,121.285
GND on Bottom Layer "GND_L02_P001" (solid, pour order 1): 25.2,23.876 ccw(c25.4,23.876) 25.4,23.676 125.349,23.676 ccw(c125.349,23.876) 125.549,23.876 125.549,25.4 125.549,25.402 125.549,121.151 ccw(c125.4,121.285) 125.6,121.285 ccw(c125.4,121.285) 125.4,121.485 25.4,121.485 ccw(c25.4,121.285) 25.2,121.285

## Keep-outs
Keep-Out Layer:
  lines w0.4: 120.396,121.285 125.349,121.285 125.349,24.003 ; 125.349,25.4 125.349,23.876 25.4,23.876 25.4,121.285 125.4,121.285

## Other copper
Top Layer:
  rectangle net 12V: 39.37,103.505 57.023,110.744
  rectangle net 5V: 97.917,110.617 100.33,118.237
  rectangle net 5V: 97.79,115.443 99.314,118.237
  rectangle net 3V3: 100.711,105.283 102.87,113.157
  rectangle net 5V: 74.549,115.181 97.955,118.237
  rectangle net 12V: 39.37,109.347 49.53,111.76

## Silkscreen, mask and mechanical layers (free items; w line width, h text height)
Top Overlay:
  text "GND" at 113.665,107.061 h1
  text "TX" at 114.665,104.648 h1
  text "12V IN" at 26.054,103.651 h1.8
  text "RX" at 114.665,102.108 h1
  text "TX" at 34.925,96.139 h1.2
  text "SCL" at 112.903,93.984 h1
  text "RX" at 34.925,93.345 h1.2
  text "SDA" at 112.903,91.461 h1
  text "GND" at 34.925,90.678 h1.2
  text "5V" at 112.903,88.921 h1
  text "5V" at 34.925,87.882 h1.2
  text "GND" at 112.903,85.852 h1
  text "GND" at 34.925,53.467 h1.2
  text "TX" at 34.925,50.673 h1.2
  text "SMART DOOR V1.0.0" at 42.164,48.133 h2
  text "RX" at 34.925,47.752 h1.2
  text "5V" at 34.925,45.085 h1.2
  text "3V3" at 31.623,39.497 h1.2 r90
  text "CLK" at 34.163,39.497 h1.2 r90
  text "DIO" at 37.084,39.497 h1.2 r90
  text "GND" at 39.624,39.37 h1.2 r90

## Dimensions
25.4,23.876 to 25.4,121.285 on Top Overlay
25.4,23.876 to 125.349,23.876 on Top Overlay

## Text inside footprints (layer, text, board x,y; h text height)
U1: Top Overlay "5" at 68.097,107.256 h1
U2: Mechanical 1 "1" at 104.254,112.012 h0.8 r180; Mechanical 1 "2" at 102.104,112.012 h0.8 r180; Mechanical 1 "3" at 99.854,112.012 h0.8 r180